# KiCad board INS-1 Matrix Display Motherboard.kicad_pcb (continued)
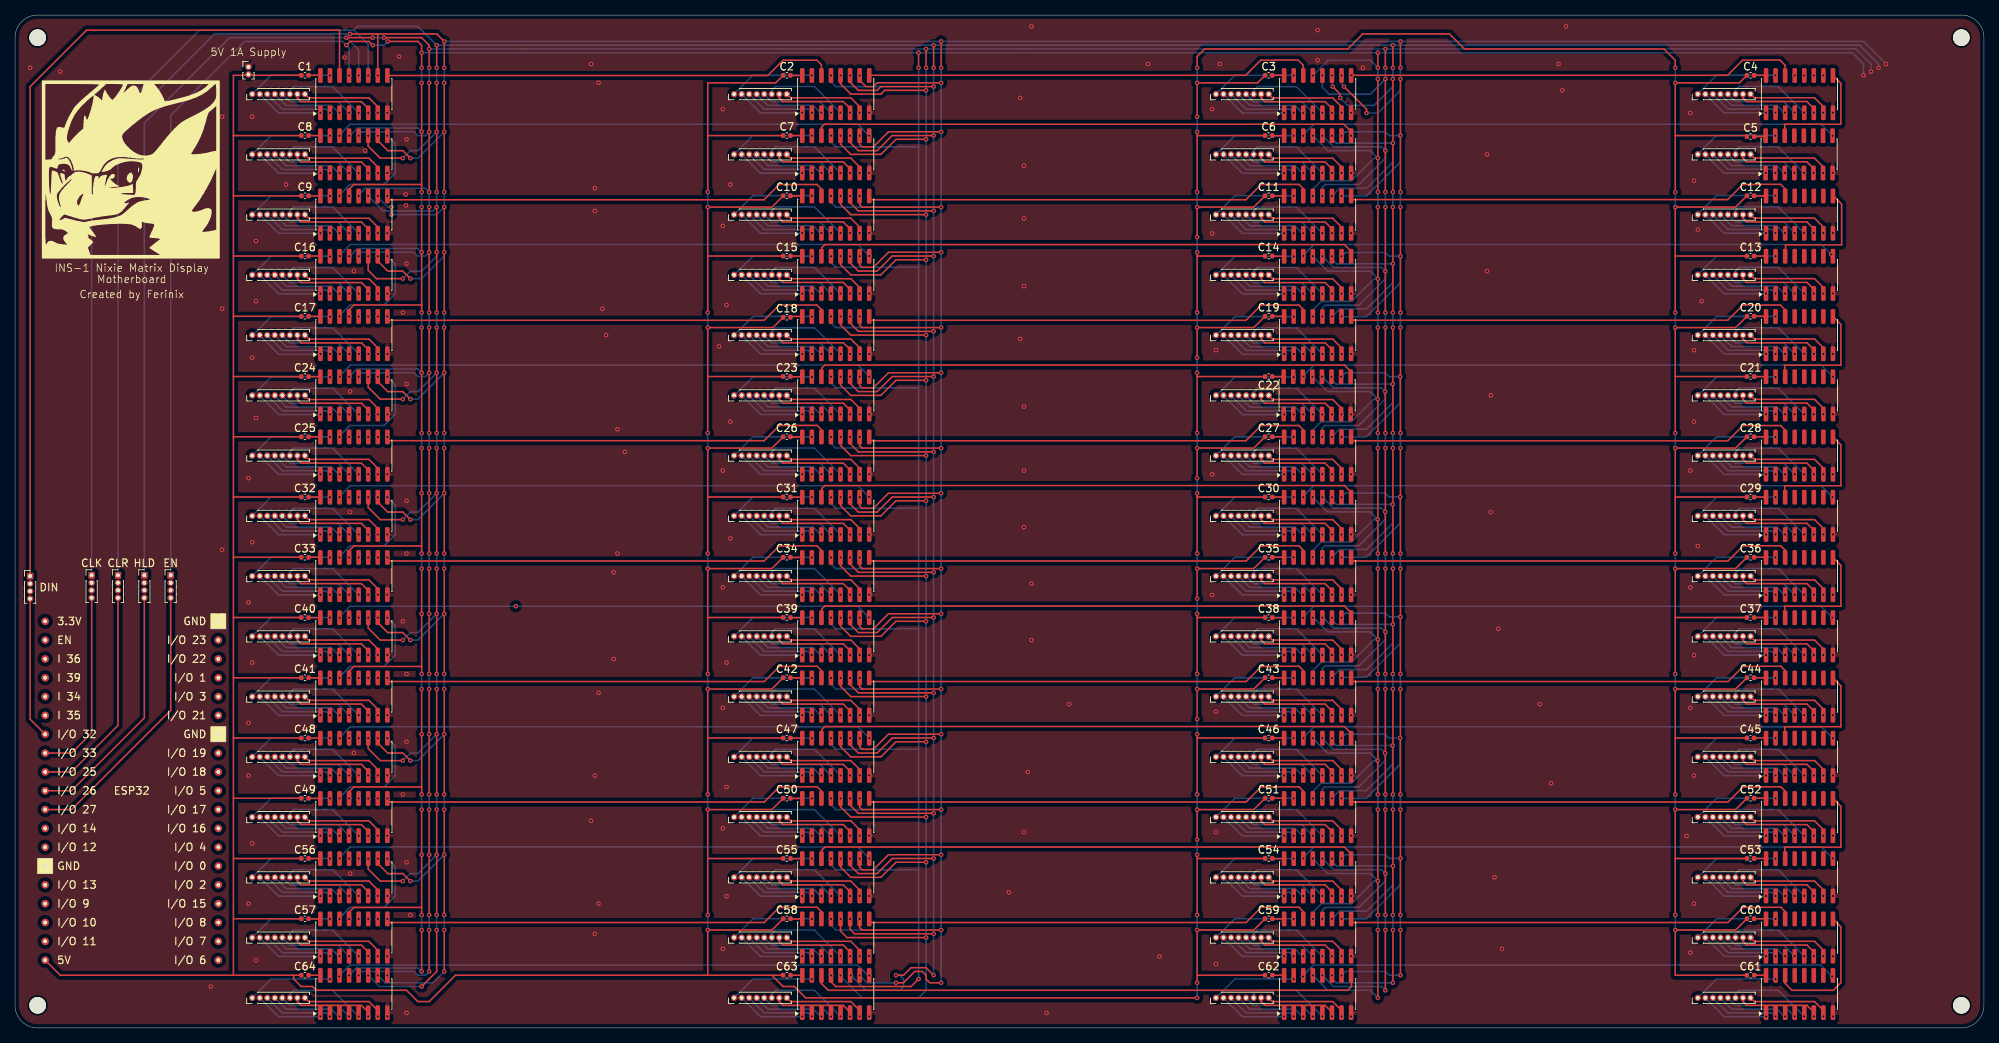
[diagram p0: board, top side]
## Nets (continued)

## Via types
v1: diameter 0.6, hole 0.3, Top to Bottom, 1312 vias

## Routing (per net, layer and track width the routed paths; a pad name or vN(x,y) marks a point on that pad's centre or on a via; arc(x,y) is an arc through that point)
5V: length 1.6
  Top w0.2: C59.2 167,14.47 U59.16
GND:
  vias: v1(2,127.5) v1(6,127) v1(26,5.5) v1(27.5,121) v1(27.5,95.5) v1(27.5,63.5) v1(31,73) v1(31,56.5) v1(31,40.5) v1(31,33.5) v1(31,16.5) v1(31.5,121) v1(31.5,89) v1(31.5,64.5) v1(31.5,48.5) v1(31.5,24.5) v1(32,104.5) v1(32,96.5) v1(32,81) v1(32,9) v1(36,112) v1(43.75,128.87) v1(44.5,84.5) v1(44.5,68.5) v1(44.5,20.5) v1(45,100.5) v1(45,36.5) v1(46.5,116.5) v1(49.44,121.53) v1(49.44,113.52) v1(49.45,105.54) v1(49.44,73.53) v1(49.44,65.53) v1(49.44,57.53) v1(49.44,49.53) v1(49.44,41.53) v1(49.44,33.53) v1(49.44,25.53) v1(49.44,17.53) v1(49.44,9.53) v1(49.44,1.53) v1(49.45,97.5) v1(49.47,89.49) v1(49.46,81.47) v1(51,129) v1(51.5,95) v1(51.5,54) v1(51.5,31) v1(51.88,110.68) v1(51.92,109.24) v1(52,118) v1(52,101.5) v1(52,85.5) v1(52,70) v1(52,63) v1(52,47) v1(52,38) v1(52,22) v1(52,2) v1(52.5,15) v1(76.5,128) v1(76.5,27.5) v1(77,111.5) v1(77,108.5) v1(77,33.5) v1(77,12.5) v1(77.5,125.5) v1(77.5,44.5) v1(77.5,16.5) v1(78,95.5) v1(78.5,92) v1(79.5,60.5) v1(79.5,49) v1(80,79.5) v1(80,63) v1(81,76.5) v1(93.5,90.5) v1(94,122) v1(94,106.5) v1(94,74) v1(94,58.5) v1(94,42.5) v1(94,26.5) v1(94,10.5) v1(94.5,96) v1(94.5,48.5) v1(94.5,32) v1(94.5,17.5) v1(95,112) v1(95,80.5) v1(95,65) v1(113.44,121.54) v1(113.44,113.53) v1(113.44,105.55) v1(113.44,97.52) v1(113.44,73.53) v1(113.44,65.53) v1(113.44,57.53) v1(113.44,49.53) v1(113.44,41.53) v1(113.44,33.53) v1(113.44,25.53) v1(113.44,17.53) v1(113.44,1.53) v1(113.46,89.5) v1(113.45,81.48) v1(132,18) v1(133.5,123.5) v1(133.5,91.5) v1(134,114.5) v1(134,107.5) v1(134,98.5) v1(134,82.5) v1(134,74) v1(134,66.5) v1(134,26) v1(134.5,34) v1(135,133) v1(135,59) v1(135,51.5) v1(137,2) v1(140,43) v1(150.5,128) v1(152,9.5) v1(159,122) v1(159,105.5) v1(159,73.5) v1(159,57.5) v1(159.5,90) v1(159.5,42) v1(159.5,26) v1(159.5,8.5) v1(160,128) v1(173,132.5) v1(173,128.5) v1(177.44,121.53) v1(177.44,113.53) v1(177.44,73.53) v1(177.44,65.53) v1(177.44,57.53) v1(177.44,49.53) v1(177.44,41.53) v1(177.44,33.53) v1(177.44,25.53) v1(177.44,17.53) v1(177.44,9.53) v1(177.44,1.53) v1(177.45,105.54) v1(177.45,97.5) v1(177.47,89.49) v1(177.46,81.47) v1(179,127.5) v1(195.5,116) v1(195.5,100.5) v1(196,84) v1(196,68.5) v1(196.5,20) v1(197,53) v1(197.5,10.5) v1(202.5,43) v1(204,32.5) v1(205,128) v1(205.5,124.5) v1(206,133) v1(222,25.5) v1(222.5,121.5) v1(222.5,74) v1(222.5,58.5) v1(222.5,42.5) v1(222.5,10) v1(223,112.5) v1(223,90) v1(223,80.5) v1(223,49.5) v1(223,33.5) v1(223,16.5) v1(223.5,106) v1(223.5,64) v1(224,96.5) v1(241.43,121.55) v1(241.43,113.54) v1(241.43,105.56) v1(241.43,97.52) v1(241.45,89.51) v1(241.44,81.49) v1(241.44,73.53) v1(241.44,65.53) v1(241.44,57.53) v1(241.44,49.53) v1(241.44,41.53) v1(241.44,33.53) v1(241.44,25.53) v1(241.44,17.53) v1(241.44,9.53) v1(241.44,1.53)
(no net): length 178.7
  Top w0.2: CLK.4 10.17,39.17 7.5,36.5 REF**.8 ; 103.5,5.5 105,4 v1(157,4) ; EN.4 20.67,42.17 7.5,29 REF**.11 ; REF**.10 7.5,31.5 17.17,41.17 HLD.4 ; REF**.9 7.5,34 13.67,40.17 CLR.4
  vias: v1(44.5,132)
Net-(C1-Pad1): length 358.2
  Top w0.2: 29,118.5 29,126.5 38,126.5 ; 29,118.5 C8.1 ; 29,118.5 29.02,118.47 ; 29,118.5 29,62.5 ; 29.02,30.47 29,30.5 ; 92,118.5 92,125.5 101.02,125.5 C2.1 ; 92,118.5 C7.1 ; 92,118.5 v1(92,111) ; 29.02,38.47 29,38.5 38,38.5 ; 4,9 6,7 29,7 29,62.5 ; 220.5,118.5 229.88,118.5 C5.1 ; 220.5,118.5 v1(220.5,111) ; 220.5,118.5 v1(220.5,125.5) 229.02,125.5 C4.1 ; v1(157,111) 157,118.5 ; 157,118.5 v1(157,119) ; 157,118.5 C6.1 ; 29.02,46.47 29,46.5 ; 29,62.5 38,62.5 ; 29.02,86.47 29,86.5 ; 29.02,70.47 29,70.5 ; v1(157,127.5) 157,129 158,130 177,130 179,132 190.5,132 192.5,130 219,130 220.5,128.5 v1(220.5,127.5) ; C3.1 165.02,125.5 v1(157,125.5) v1(157,121)
  Bottom w0.2: v1(92,111) 92,109 ; v1(220.5,125.5) v1(220.5,127.5) ; v1(157,125.5) v1(157,127.5) ; v1(157,119) v1(157,121)
Net-(C10-Pad1): length 123
  Top w0.2: C10.1 100.52,109 v1(92,109) 92,102.5 ; C16.1 29,102.5 ; C15.1 92,102.5 ; 92,102.5 v1(92,95) ; C11.1 164.52,109 v1(157,109) v1(157,105) ; 220.5,102.5 v1(220.5,109) 228.52,109 C12.1 ; 220.5,102.5 C13.1 ; 220.5,102.5 v1(220.5,95) ; v1(157,95) 157,102.5 ; 157,102.5 C14.1 ; 157,102.5 v1(157,103) ; C9.1 29,110.5
  Bottom w0.2: v1(220.5,109) 220.5,111 ; v1(157,109) 157,111 ; v1(157,103) v1(157,105)
Net-(C17-Pad1): length 105.9
  Top w0.2: v1(92,79) 92,86.5 ; 92,86.5 C23.1 ; 92,86.5 v1(92,93) 100.65,93 C18.1 ; 220.5,86.5 v1(220.5,79) ; 220.5,86.5 v1(220.5,93) 228.52,93 C20.1 ; 220.5,86.5 C21.1 ; v1(157,89) v1(157,93) 164.52,93 C19.1 ; C24.1 29,86.5 ; C17.1 29,94.5
  Bottom w0.2: v1(220.5,93) 220.5,95 ; v1(157,93) 157,95 ; v1(92,93) 92,95
Net-(C25-Pad1): length 128.5
  Top w0.2: 220.5,70.5 v1(220.5,63) ; 220.5,70.5 v1(220.5,77) 228.52,77 C28.1 ; 220.5,70.5 C29.1 ; C31.1 92,70.5 ; 92,70.5 v1(92,77) 100.52,77 C26.1 ; 92,70.5 v1(92,63) ; v1(157,63) 157,70.5 ; 157,70.5 v1(157,71) ; 157,70.5 C30.1 ; C25.1 29,78.5 ; C32.1 29,70.5 ; v1(157,73) v1(157,77) 164.52,77 C27.1
  Bottom w0.2: v1(220.5,77) 220.5,79 ; v1(92,77) 92,79 ; v1(157,63) 157,61.5 ; v1(220.5,63) 220.5,61 ; v1(157,77) 157,79 ; v1(157,71) v1(157,73)
Net-(C33-Pad1): length 116
  Top w0.2: v1(157,47) 157,54.5 ; 157,54.5 C38.1 ; 157,54.5 v1(157,55) ; v1(157,57) v1(157,61) 164.52,61 C35.1 ; 92,54.5 v1(92,61) 100.52,61 C34.1 ; 92,54.5 C39.1 ; 92,54.5 v1(92,47) ; C40.1 29,54.5 ; C36.1 228.52,61 v1(220.5,61) 220.5,54.5 ; 220.5,54.5 v1(220.5,47) ; 220.5,54.5 C37.1
  Bottom w0.2: v1(220.5,47) 220.5,45 ; v1(157,57) v1(157,55) ; v1(92,61) 92,63 ; v1(157,47) 157,45
Net-(C41-Pad1): length 116
  Top w0.2: v1(157,31) 157,38.5 ; 157,38.5 v1(157,39) ; 157,38.5 C46.1 ; C42.1 100.52,45 v1(92,45) v1(92,31) ; C43.1 164.52,45 v1(157,45) v1(157,41) ; 220.5,38.5 v1(220.5,31) ; 220.5,38.5 v1(220.5,45) 228.52,45 C44.1 ; 220.5,38.5 C45.1 ; C47.1 92,38.5 ; C41.1 29,46.5
  Bottom w0.2: v1(92,31) 92,29 ; v1(157,41) v1(157,39) ; v1(92,45) 92,47 ; v1(157,31) 157,29
Net-(C49-Pad1): length 123
  Top w0.2: C55.1 92,22.5 ; 92,22.5 v1(92,15) ; 92,22.5 v1(92,29) 100.52,29 C50.1 ; 220.5,22.5 v1(220.5,29) 228.52,29 C52.1 ; 220.5,22.5 v1(220.5,15) ; 220.5,22.5 C53.1 ; v1(157,15) v1(157,23) ; v1(157,25) v1(157,29) 164.52,29 C51.1 ; C49.1 29,30.5 ; C54.1 157,22.5 ; C56.1 29,22.5
  Bottom w0.2: v1(220.5,29) 220.5,31 ; v1(220.5,15) 220.5,13 ; v1(157,25) v1(157,23)
Net-(C57-Pad1): length 163.8
  Top w0.2: C64.1 37,7 ; 37,7 37,6.5 38,5.5 39.5,5.5 40,5 52,5 53.5,3.5 55,3.5 58.5,7 C63.1 ; 37,7 29,7 ; 92,7 v1(92,13) 100.52,13 C58.1 ; 100.5,7 102,5.5 103.5,5.5 ; 157,7 v1(157,6) ; 157,7 C62.1 ; 157,7 v1(157,13) 164.52,13 C59.1 ; C57.1 29,14.5 ; C61.1 220.5,7 v1(220.5,13) 228.52,13 C60.1
  Bottom w0.2: 157,4 v1(157,6) ; v1(92,13) 92,15 ; v1(157,13) 157,15
Net-(U1-QH'): length 60.2
  Top w0.2: U1.9 99.97,126.47 102,128.5 106.5,128.5 107.09,127.91 U2.14
Net-(U1-RCLK): length 1110
  Top w0.2: v1(182,111) v1(182,116.5) v1(182,126) ; v1(109.64,78.47) 109.64,77.36 111,76 v1(121,76) ; v1(109.64,62.47) 109.64,61.36 111,60 v1(121,60) ; v1(182,47) v1(182,61) ; v1(121,12) 110.5,12 109.64,12.87 v1(109.64,14.47) ; v1(121,124.5) 115.5,124.5 115,124 111,124 109.64,125.37 v1(109.64,126.47) ; v1(109.64,30.47) 109.64,29.37 111,28 v1(121,28) ; v1(121,22) 117,22 115,20 111,20 109.64,21.37 v1(109.64,22.47) ; v1(182,29) v1(182,15) ; v1(121,38) 117,38 115,36 111,36 109.64,37.36 v1(109.64,38.47) ; v1(55,77) v1(55,71) v1(55,63) ; v1(55,93) v1(55,87) v1(55,79) ; v1(182,109) v1(182,95) ; v1(109.64,94.47) 109.64,93.36 111,92 v1(121,92) ; v1(182,13) v1(182,5) ; v1(109.64,70.47) 109.64,69.36 111,68 115,68 117,70 v1(121,70) ; v1(55,45) v1(55,39) v1(55,31) ; v1(55,61) v1(55,55) v1(55,47) ; v1(49,131.5) 54,131.5 55,130.5 v1(55,130) v1(55,127.5) ; v1(44,131.5) v1(47.5,131.5) ; v1(121,54) 117,54 115,52 111,52 109.64,53.36 v1(109.64,54.47) ; v1(55,29) v1(55,23) v1(55,15) ; v1(121,118) 117,118 115,116 111,116 109.64,117.37 v1(109.64,118.47) ; v1(55,109) v1(55,103) v1(55,95) ; v1(109.64,110.47) 109.64,109.37 111,108 v1(121,108) ; v1(121,130) v1(121,127.5) ; v1(55,111) v1(55,119) v1(55,125.5) ; v1(121,86) 117,86 115,84 111,84 109.64,85.36 v1(109.64,86.47) ; v1(182,45) v1(182,31) ; v1(182,77) v1(182,63) ; v1(182,93) v1(182,79) ; v1(182,130) v1(182,127.5) ; v1(121,44) 111,44 109.64,45.36 v1(109.64,46.47) ; v1(121,102) 117,102 115,100 111,100 109.64,101.37 v1(109.64,102.47) ; v1(55,13) v1(55,7.5)
  Bottom w0.2: 173.61,62.5 173.61,63.66 173.97,64.03 178.47,64.03 181.97,67.53 v1(181.97,68.53) 181.47,69.03 175.08,69.03 173.61,70.5 ; v1(173.64,14.48) 173.64,15.64 174.01,16.01 178.51,16.01 182.01,19.51 v1(182.01,20.51) 181.51,21.01 175.12,21.01 173.64,22.48 ; v1(182,15) v1(182,13) ; v1(182,127.5) v1(182,126) 180,124 174.5,124 173.63,124.87 v1(173.63,126.47) ; v1(55,130) v1(121,130) v1(182,130) 244.5,130 246.5,128 v1(246.5,127) ; 173.63,46.56 173.63,47.72 174,48.09 178.5,48.09 182,51.59 v1(182,52.59) 181.5,53.09 175.11,53.09 173.63,54.56 ; 173.61,78.47 173.61,79.63 173.97,80 178.47,80 181.97,83.5 v1(181.97,84.5) 181.47,85 175.08,85 173.61,86.47 ; v1(182,31) v1(182,29) ; v1(55,103) 54.5,102.5 53.5,102.5 53,103 46,103 45.63,102.63 v1(45.63,102.47) ; v1(55,15) v1(55,13) ; v1(55,87) 54.5,86.5 53.5,86.5 53,87 46,87 45.63,86.64 v1(45.63,86.47) ; 17.17,60.11 17.17,120.17 28.5,131.5 v1(44,131.5) 45.63,129.87 v1(45.63,126.47) ; v1(109.64,6.97) 109.64,6.87 112.5,4 120,4 121,5 v1(121,12) v1(121,22) v1(121,28) v1(121,38) v1(121,44) v1(121,54) v1(121,60) v1(121,70) v1(121,76) v1(121,86) v1(121,92) v1(121,102) v1(121,108) v1(121,118) v1(121,124.5) v1(121,127.5) ; v1(182,79) v1(182,77) ; v1(182,5) 181.5,5.5 175.11,5.5 v1(173.63,6.97) ; v1(55,31) v1(55,29) ; v1(55,93) v1(55,95) ; v1(182,111) v1(182,109) ; v1(45.63,118.47) 45.63,118.63 46,119 53,119 53.5,118.5 54.5,118.5 v1(55,119) ; v1(173.63,118.47) 175.11,117 181.5,117 v1(182,116.5) 182,115.5 178.5,112 174,112 173.63,111.63 v1(173.63,110.47) ; 173.64,102.45 175.11,100.98 181.5,100.98 v1(182,100.48) 182,99.48 178.5,95.98 174,95.98 173.64,95.61 173.64,94.45 ; v1(182,95) v1(182,93) ; v1(55,7.5) 54.5,7 53.5,7 53,7.5 46,7.5 45.63,7.13 v1(45.63,6.97) ; 173.6,30.48 173.6,31.64 173.96,32 178.46,32 181.96,35.5 v1(181.96,36.5) 181.46,37 175.07,37 173.6,38.48 ; v1(55,47) v1(55,45) ; v1(47.5,131.5) v1(49,131.5) ; v1(55,109) v1(55,111) 54.5,111.5 46.5,111.5 45.63,110.63 v1(45.63,110.47) ; v1(55,127.5) v1(55,125.5) ; v1(55,79) v1(55,77) ; v1(55,63) v1(55,61) ; v1(182,63) v1(182,61) ; v1(182,47) v1(182,45)
  vias: v1(45.63,94.47) v1(45.63,78.47) v1(45.63,70.47) v1(45.63,62.47) v1(45.63,54.47) v1(45.63,46.47) v1(45.63,38.47) v1(45.63,30.47) v1(45.63,22.47) v1(45.63,14.47) v1(173.63,102.47) v1(173.63,94.47) v1(173.58,86.47) v1(173.63,78.47) v1(173.63,70.47) v1(173.63,62.47) v1(173.63,54.47) v1(173.63,46.47) v1(173.63,38.47) v1(173.63,30.47) v1(173.63,22.47) v1(237.63,126.47)
Net-(U1-SRCLK): length 1170.6
  Top w0.2: v1(110.91,38.47) 110.91,37.59 112,36.5 114.5,36.5 116.5,38.5 v1(122,38.5) ; v1(51.5,115.5) 48.5,115.5 46.91,117.09 v1(46.91,118.47) ; v1(110.91,102.47) 110.91,101.59 112,100.5 114.5,100.5 116.5,102.5 v1(122,102.5) ; v1(122,125) 115,125 114.5,124.5 112,124.5 110.91,125.59 v1(110.91,126.47) ; v1(56,61) v1(56,55) v1(56,47) ; v1(56,77) v1(56,71) v1(56,63) ; v1(183,45) v1(183,31) ; v1(110.91,78.47) 110.91,77.59 112,76.5 v1(122,76.5) ; v1(56,109) v1(56,103) v1(56,95) ; v1(56,15) v1(56,23) v1(56,29) ; v1(122,118.5) 116.5,118.5 114.5,116.5 112,116.5 110.91,117.59 v1(110.91,118.47) ; v1(175,125) 176,124 v1(176,123.5) ; v1(110.91,54.47) 110.91,53.59 112,52.5 114.5,52.5 116.5,54.5 v1(122,54.5) ; v1(46.91,54.47) 46.91,53.09 48.5,51.5 v1(51.5,51.5) ; v1(122,130.5) v1(122,127.5) ; v1(56,31) v1(56,39) v1(56,45) ; v1(51.5,35.5) 48.5,35.5 46.91,37.09 v1(46.91,38.47) ; v1(56,125.5) v1(56,119) v1(56,111) ; v1(46.91,22.47) 46.91,21.09 48.5,19.5 v1(51.5,19.5) ; v1(110.91,46.47) 110.91,45.59 112,44.5 v1(122,44.5) ; v1(56,93) v1(56,87) v1(56,79) ; v1(122,70.5) 116.5,70.5 114.5,68.5 112,68.5 110.91,69.59 v1(110.91,70.47) ; v1(122,108.5) 112,108.5 110.91,109.59 v1(110.91,110.47) ; v1(110.91,14.47) 110.91,13.09 111.5,12.5 v1(122,12.5) ; v1(110.91,94.47) 110.91,93.59 112,92.5 v1(122,92.5) ; v1(183,130.5) v1(183,127.5) ; v1(183,109) v1(183,95) ; v1(117,7) 118,7 119,8 121,8 v1(122,7) ; v1(56,130.5) v1(56,127.5) ; v1(183,13) v1(183,6) ; v1(183,126) v1(183,117.5) v1(183,111) ; v1(46.91,102.47) 46.91,100.59 48,99.5 v1(51.5,99.5) ; v1(122,28.5) 112,28.5 110.91,29.59 v1(110.91,30.47) ; v1(122,22.5) 116.5,22.5 114.5,20.5 112,20.5 110.91,21.59 v1(110.91,22.47) ; v1(56,13) 56,7.5 v1(54,5.5) ; v1(183,77) v1(183,63) ; v1(183,29) v1(183,15) ; v1(122,60.5) 112,60.5 110.91,61.59 v1(110.91,62.47) ; v1(122,86.5) 116.5,86.5 114.5,84.5 112,84.5 110.91,85.59 v1(110.91,86.47) ; v1(51.5,67.5) 48.5,67.5 46.91,69.09 v1(46.91,70.47) ; v1(183,61) v1(183,47) ; v1(46.91,86.47) 46.91,85.09 48.5,83.5 v1(51.5,83.5) ; v1(183,93) v1(183,79)
  Bottom w0.2: v1(174.91,14.48) 175.94,15.51 179.51,15.51 183.01,19.01 v1(183.01,21.51) 175.51,21.51 174.91,22.11 v1(174.91,22.47) ; v1(122,127.5) v1(122,125) v1(122,118.5) v1(122,108.5) v1(122,102.5) v1(122,92.5) v1(122,86.5) v1(122,76.5) v1(122,70.5) v1(122,60.5) v1(122,54.5) v1(122,44.5) v1(122,38.5) v1(122,28.5) v1(122,22.5) v1(122,12.5) v1(122,7) ; v1(183,127.5) v1(183,126) 183,125 180.5,122.5 177,122.5 v1(176,123.5) ; v1(46.91,110.47) 48.88,108.5 55.5,108.5 v1(56,109) v1(56,111) ; v1(56,63) v1(56,61) ; v1(56,93) v1(56,95) ; 175,54 174.91,54.09 v1(174.91,54.47) ; 10.17,60.11 10.17,118.17 24.5,132.5 45,132.5 ; 174.91,102.09 175,102 ; v1(174.91,110.47) 175.93,111.5 179.5,111.5 183,115 v1(183,117.5) 175.5,117.5 174.91,118.09 v1(174.91,118.47) ; 174.88,70.12 175.47,69.53 v1(182.97,69.53) 182.97,67.03 179.47,63.53 175.9,63.53 174.88,62.5 ; v1(183,15) v1(183,13) ; 174.9,46.56 175.93,47.59 179.5,47.59 183,51.09 v1(183,53.59) 175.5,53.59 174.9,54.18 ; v1(51.5,99.5) 52.5,100.5 54,100.5 56,102.5 v1(56,103) ; v1(51.5,51.5) 52.5,52.5 53.5,52.5 v1(56,55) ; v1(174.91,126.47) 174.91,125.09 v1(175,125) ; v1(174.91,70.47) 174.91,70.09 175,70 ; v1(111,7) 113,5 117.5,5 118,5.5 118,6.5 117.5,7 v1(117,7) ; v1(247.5,127.5) 247.5,128 245,130.5 v1(183,130.5) v1(122,130.5) v1(56,130.5) 53.5,133 45.5,133 45,132.5 ; v1(56,71) 53.5,68.5 52.5,68.5 v1(51.5,67.5) ; v1(183,31) v1(183,29) ; v1(183,111) v1(183,109) ; v1(56,47) v1(56,45) ; 45,132.5 46.91,130.59 v1(46.91,126.47) ; 174.87,30.48 175.89,31.5 179.46,31.5 182.96,35 v1(182.96,37.5) 175.46,37.5 174.98,37.98 ; 174.91,94.45 175.93,95.48 179.5,95.48 183,98.98 v1(183,101.48) 175.5,101.48 174.91,102.07 v1(174.91,102.47) ; 174.88,78.47 175.9,79.5 179.47,79.5 182.97,83 v1(182.97,85.5) 175.47,85.5 174.85,86.12 v1(174.85,86.47) ; v1(51.5,83.5) 52.5,84.5 53.5,84.5 v1(56,87) ; v1(183,63) v1(183,61) ; v1(183,93) v1(183,95) ; v1(56,127.5) v1(56,125.5) ; 174.98,37.98 174.87,38.1 ; 174.98,37.98 174.91,38.06 v1(174.91,38.47) ; v1(56,29) v1(56,31) ; v1(56,15) v1(56,13) ; 174.9,6.97 174.9,6.6 175.5,6 v1(183,6) ; v1(51.5,115.5) 52.5,116.5 53.5,116.5 v1(56,119) ; v1(183,47) v1(183,45) ; v1(56,39) 53.5,36.5 52.5,36.5 v1(51.5,35.5) ; v1(183,79) v1(183,77) ; v1(51.5,19.5) 52.5,20.5 53.5,20.5 v1(56,23) ; v1(54,5.5) 48.38,5.5 v1(46.91,6.97) ; v1(56,79) v1(56,77)
  vias: v1(46.91,94.47) v1(46.91,78.47) v1(46.91,62.47) v1(46.91,46.47) v1(46.91,30.47) v1(46.91,14.47) v1(174.91,94.47) v1(174.91,78.47) v1(174.91,62.47) v1(174.91,46.47) v1(174.91,30.47) v1(174.91,6.97) v1(238.91,126.47)
Net-(U1-VCC): length 1.6
  Top w0.2: U1.16 40.53,126.5 38.96,126.5
Net-(U1-~{OE}): length 1146.1
  Top w0.2: v1(44.37,110.47) 44.37,111.37 45,112 54,112 ; 54,64 v1(54,71) v1(54,77) ; 54,64 45,64 44.37,63.36 v1(44.37,62.47) ; 54,64 v1(54,63) ; 54,32 v1(54,31) ; 54,32 45,32 44.37,31.37 v1(44.37,30.47) ; 54,32 v1(54,39) v1(54,45) ; v1(47.5,130.5) 47,131 44.5,131 v1(44,130.5) ; v1(181,111) v1(181,115.5) v1(181,126) ; v1(181,61) v1(181,47) ; v1(54,125.5) v1(54,119) 54,112 ; v1(181,77) v1(181,63) ; v1(44.37,46.47) 44.37,47.36 45,48 54,48 ; v1(181,93) v1(181,79) ; v1(49.5,131) 53.5,131 54,130.5 v1(54,129.5) v1(54,127.5) ; v1(54,61) v1(54,55) 54,48 ; v1(120,6.5) 119,5.5 109,5.5 108.36,6.13 v1(108.36,6.97) ; v1(54,29) v1(54,23) 54,16 ; 54,16 45,16 44.37,15.37 v1(44.37,14.47) ; 54,16 v1(54,15) ; 54,112 v1(54,111) ; 54,96 v1(54,103) v1(54,109) ; 54,96 v1(54,95) ; 54,96 45,96 44.37,95.36 v1(44.37,94.47) ; v1(120,129.5) v1(120,127.5) ; v1(54,79) v1(54,87) v1(54,93) ; v1(181,109) v1(181,95) ; v1(181,29) v1(181,15) ; v1(181,129.5) v1(181,127.5) ; v1(181,31) v1(181,45) ; 54,48 v1(54,47) ; v1(181,13) v1(181,4) ; v1(54,13) v1(54,7.5)
  Bottom w0.2: 120,109 120,101 ; 120,109 120,117 ; 120,109 109,109 108.36,109.63 v1(108.36,110.47) ; 120,101 120,93 ; 120,101 109,101 108.36,101.63 v1(108.36,102.47) ; 120,21 109,21 108.36,21.63 v1(108.36,22.47) ; 120,21 120,13 ; 120,21 120,29 ; 172.33,30.48 172.33,31.37 173.46,32.5 177.46,32.5 180.46,35.5 v1(180.96,35.5) 179.96,36.5 174.3,36.5 172.33,38.48 ; v1(54,95) v1(54,93) ; v1(44.37,6.97) 45.34,7.95 53.55,7.95 v1(54,7.5) ; v1(47.5,130.5) 49,130.5 v1(49.5,131) ; 120,37 109,37 108.36,37.64 v1(108.36,38.47) ; 120,37 120,29 ; 120,37 120,45 ; v1(181,126) v1(181,127.5) 180,128.5 174.39,128.5 v1(172.37,126.47) ; 120,125 109,125 108.36,125.63 v1(108.36,126.47) ; 120,125 120,117 ; 120,125 v1(120,127.5) ; 172.37,102.45 174.34,100.48 180,100.48 v1(181,99.48) 180.5,99.48 177.5,96.48 173.5,96.48 172.37,95.34 172.37,94.45 ; v1(181,15) v1(181,13) ; v1(181,79) v1(181,77) ; 172.36,46.56 172.36,47.45 173.5,48.59 177.5,48.59 180.5,51.59 v1(181,51.59) 180,52.59 174.34,52.59 172.36,54.56 ; 120,85 120,77 ; 120,85 120,93 ; 120,85 109,85 108.36,85.64 v1(108.36,86.47) ; 120,77 120,69 ; 120,77 109,77 108.36,77.64 v1(108.36,78.47) ; v1(108.36,94.47) 108.36,93.64 109,93 120,93 ; v1(108.36,14.47) 108.36,13.63 109,13 120,13 ; v1(108.36,30.47) 108.36,29.63 109,29 120,29 ; v1(181,63) v1(181,61) ; 120,69 109,69 108.36,69.64 v1(108.36,70.47) ; 120,69 120,61 ; v1(54,127.5) v1(54,125.5) ; 120,13 v1(120,6.5) ; v1(108.36,46.47) 108.36,45.64 109,45 120,45 ; v1(181,31) v1(181,29) ; v1(172.37,14.48) 172.37,15.37 173.51,16.51 177.51,16.51 180.51,19.51 v1(181.01,19.51) 180.01,20.51 174.35,20.51 v1(172.37,22.48) ; v1(172.37,110.47) 172.37,111.37 173.5,112.5 177.5,112.5 180.5,115.5 v1(181,115.5) 180,116.5 174.34,116.5 v1(172.37,118.47) ; 20.67,60.11 20.67,121.17 30.5,131 43.5,131 v1(44,130.5) 44.37,130.13 v1(44.37,126.47) ; 120,117 109,117 108.36,117.63 v1(108.36,118.47) ; v1(181,111) v1(181,109) ; v1(54,119) 53.5,119.5 45.5,119.5 44.5,118.5 ; 120,53 109,53 108.36,53.64 v1(108.36,54.47) ; 120,53 120,61 ; 120,53 120,45 ; v1(245.5,126.5) 245.5,128 244,129.5 v1(181,129.5) v1(120,129.5) v1(54,129.5) ; v1(108.36,62.47) 108.36,61.64 109,61 120,61 ; v1(172.34,70.5) 174.31,68.53 179.97,68.53 v1(180.97,67.53) 180.47,67.53 177.47,64.53 173.47,64.53 172.34,63.39 v1(172.34,62.5) ; v1(54,111) v1(54,109) ; v1(54,63) v1(54,61) ; v1(54,103) 53.5,103.5 45.5,103.5 44.48,102.47 v1(44.37,102.47) ; v1(54,79) v1(54,77) ; v1(54,87) 53.5,87.5 45.39,87.5 v1(44.37,86.47) ; 172.34,78.47 172.34,79.36 173.47,80.5 177.47,80.5 180.47,83.5 v1(180.97,83.5) 179.97,84.5 174.31,84.5 172.34,86.47 ; v1(181,4) 180,5 174.34,5 v1(172.37,6.97) ; v1(181,47) v1(181,45) ; v1(54,47) v1(54,45) ; v1(181,95) v1(181,93) ; v1(54,13) v1(54,15) ; v1(54,31) v1(54,29)
  vias: v1(44.37,118.47) v1(44.37,78.47) v1(44.37,70.47) v1(44.37,54.47) v1(44.37,38.47) v1(44.37,22.47) v1(172.31,86.47) v1(172.37,102.47) v1(172.37,94.47) v1(172.37,78.47) v1(172.37,54.47) v1(172.37,46.47) v1(172.37,38.47) v1(172.37,30.47) v1(236.37,126.47)
Net-(U1-~{SRCLR}): length 1155.4
  Top w0.2: v1(57,79) v1(57,87) v1(57,93) ; v1(52.5,83.5) 51.5,84.5 49.5,84.5 48.17,85.83 v1(48.17,86.47) ; v1(57,61) v1(57,55) v1(57,47) ; v1(184,29) v1(184,15) ; v1(112.18,78.47) 112.18,77.33 112.5,77 v1(123,77) ; v1(48.17,54.47) 48.17,53.83 49.5,52.5 51.5,52.5 v1(52.5,51.5) ; v1(184,131) v1(184,127.5) ; v1(123,29) 112.5,29 112.18,29.32 v1(112.18,30.47) ; v1(57,45) v1(57,39) v1(57,31) ; v1(184,45) v1(184,31) ; v1(123,131) v1(123,127.5) ; v1(123,125.5) 114.5,125.5 114,125 113,125 112.18,125.83 v1(112.18,126.47) ; v1(57,109) v1(57,103) v1(57,95) ; v1(112.18,102.47) 112.18,101.33 112.5,101 114,101 116,103 v1(123,103) ; v1(57,29) v1(57,23) v1(57,15) ; v1(57,127.5) v1(57,131) 56,132 48,132 ; v1(123,13) 112.5,13 112.18,13.32 v1(112.18,14.47) ; v1(112.18,110.47) 112.18,109.33 112.5,109 v1(123,109) ; v1(179.5,121.5) 179.5,122 v1(176.5,125) ; v1(123,39) 116,39 114,37 112.5,37 112.18,37.33 v1(112.18,38.47) ; v1(48.17,70.47) 48.17,69.83 49.5,68.5 51.5,68.5 v1(52.5,67.5) ; v1(184,93) v1(184,79) ; v1(52.5,19.5) 51.5,20.5 49.5,20.5 48.17,21.82 v1(48.17,22.47) ; v1(112.18,70.47) 112.18,69.33 112.5,69 114,69 116,71 v1(123,71) ; 48,132 44.5,132 ; 48,132 48.17,131.82 v1(48.17,126.47) ; v1(184,77) v1(184,63) ; v1(123,23) 116,23 114,21 112.5,21 112.18,21.32 v1(112.18,22.47) ; v1(52.5,115.5) 51.5,116.5 49.5,116.5 48.17,117.83 v1(48.17,118.47) ; v1(57,77) v1(57,71) v1(57,63) ; v1(123,55) 116,55 114,53 112.5,53 112.18,53.33 v1(112.18,54.47) ; v1(112.18,46.47) 112.18,45.33 112.5,45 v1(123,45) ; v1(48.17,38.47) 48.17,37.83 49.5,36.5 51.5,36.5 v1(52.5,35.5) ; v1(112.18,118.47) 112.18,117.33 112.5,117 114,117 116,119 v1(123,119) ; v1(57,125.5) v1(57,119) v1(57,111) ; v1(123,93) 112.5,93 112.18,93.33 v1(112.18,94.47) ; v1(184,111) v1(184,118.5) v1(184,126) ; v1(184,13) v1(184,7) ; v1(184,61) v1(184,47) ; v1(50,109) v1(50,108) ; v1(123,6) 121.5,6 121,6.5 121,7 120.5,7.5 119.5,7.5 118,6 v1(117,6) ; v1(112.18,62.47) 112.18,61.33 112.5,61 v1(123,61) ; v1(52.5,99.5) 51.5,100.5 49.5,100.5 48.17,101.83 v1(48.17,102.47) ; v1(123,87) 116,87 114,85 112.5,85 112.18,85.33 v1(112.18,86.47) ; v1(57,13) v1(57,7.5) ; v1(184,109) v1(184,95)
  Bottom w0.2: v1(184,127.5) v1(184,126) 184,124.5 181,121.5 v1(179.5,121.5) ; v1(48.17,6.97) 49.15,6 55.5,6 v1(57,7.5) ; v1(184,79) v1(184,77) ; 176.15,70.5 176.67,71.03 181.97,71.03 182.47,70.53 v1(183.97,70.53) 183.97,67.03 179.45,62.5 176.15,62.5 ; v1(248.5,128) 245.5,131 v1(184,131) v1(123,131) v1(57,131) ; v1(176.18,110.47) 179.47,110.47 184,115 v1(184,118.5) 182.5,118.5 182,119 176.7,119 v1(176.18,118.47) ; v1(52.5,83.5) 53.5,83.5 v1(57,87) ; v1(57,47) v1(57,45) ; v1(176.18,6.97) 176.7,7.5 182,7.5 182.5,7 v1(184,7) ; v1(184,63) v1(184,61) ; v1(52.5,115.5) 53.5,115.5 v1(57,119) ; v1(50,108) 56,108 v1(57,109) v1(57,111) ; v1(176.18,14.48) 179.48,14.48 184.01,19.01 v1(184.01,22.51) 182.51,22.51 182.01,23.01 176.71,23.01 v1(176.18,22.48) ; v1(57,79) v1(57,77) ; 13.67,60.11 13.67,119.17 26.5,132 44.5,132 ; v1(52.5,35.5) 53.5,35.5 v1(57,39) ; v1(57,71) 53.5,67.5 v1(52.5,67.5) ; v1(50,109) 49.5,109 48.17,110.33 v1(48.17,110.47) ; v1(176.18,126.47) 176.18,125.33 v1(176.5,125) ; v1(57,93) v1(57,95) ; v1(57,103) 57,102.5 54,99.5 v1(52.5,99.5) ; 176.18,102.45 176.7,102.98 182,102.98 182.5,102.48 v1(184,102.48) 184,98.98 179.48,94.45 176.18,94.45 ; 176.14,30.48 179.44,30.48 183.96,35 v1(183.96,38.5) 182.46,38.5 181.96,39 176.66,39 176.14,38.48 ; v1(184,15) v1(184,13) ; v1(184,111) v1(184,109) ; v1(52.5,51.5) 53.5,51.5 v1(57,55) ; v1(117,6) 113.15,6 v1(112.18,6.97) ; v1(52.5,19.5) 53.5,19.5 v1(57,23) ; v1(184,95) v1(184,93) ; v1(123,6) v1(123,13) v1(123,23) v1(123,29) v1(123,39) v1(123,45) v1(123,55) v1(123,61) v1(123,71) v1(123,77) v1(123,87) v1(123,93) v1(123,103) v1(123,109) v1(123,119) v1(123,125.5) v1(123,127.5) ; v1(57,63) v1(57,61) ; v1(57,127.5) v1(57,125.5) ; v1(184,31) v1(184,29) ; 176.15,78.47 179.45,78.47 183.97,83 v1(183.97,86.5) 182.47,86.5 181.97,87 176.67,87 176.15,86.47 ; v1(184,47) v1(184,45) ; v1(57,15) v1(57,13) ; 176.17,46.56 179.47,46.56 184,51.09 v1(184,54.59) 182.5,54.59 182,55.09 176.7,55.09 176.17,54.56 ; v1(57,31) v1(57,29)
  vias: v1(48.17,94.47) v1(48.17,78.47) v1(48.17,62.47) v1(48.17,46.47) v1(48.17,30.47) v1(48.17,14.47) v1(176.12,86.47) v1(176.18,102.47) v1(176.18,94.47) v1(176.18,78.47) v1(176.18,70.47) v1(176.18,62.47) v1(176.18,54.47) v1(176.18,46.47) v1(176.18,38.47) v1(176.18,30.47) v1(240.18,126.47)
Net-(U2-QH'): length 60.2
  Top w0.2: 171,126.5 171.09,126.59 171.09,127.84 170.41,128.53 167.41,128.53 167.38,128.5 165.44,128.5 163.44,126.5 113.35,126.5
Net-(U2-VCC): length 1.6
  Top w0.2: C2.2 103,126.47 U2.16
Net-(U3-QH'): length 60.2
  Top w0.2: 177.35,126.5 v1(177.5,126.5) 227.44,126.5 229.44,128.5 231.38,128.5 231.41,128.53 234.41,128.53 235.09,127.84 235.09,126.59 235,126.5
Net-(U3-VCC): length 1.6
  Top w0.2: C3.2 168.53,126.5 U3.16
Net-(U4-QH'): length 16
  Top w0.2: U5.14 235.05,119.95 235,120 242.5,120 242.5,125.42 U4.9
Net-(U4-VCC): length 1.6
  Top w0.2: C4.2 232.53,126.5 U4.16
Net-(U5-QH'): length 71.6
  Bottom w0.2: v1(171.09,118.47) 171.09,118.59 172.5,120 239.87,120 v1(241.4,118.47)
Net-(U5-VCC): length 1.6
  Top w0.2: U5.16 232.4,118.36 C5.2
Net-(U6-QH'): length 72.6
  Top w0.2: v1(177.44,118.47) 177.44,119.06 176.5,120 107.5,120 107.09,119.59 U7.14
Net-(U6-VCC): length 1.6
  Top w0.2: U6.16 167,118.47 C6.2
Net-(U7-QH'): length 71.7
  Bottom w0.2: v1(43.09,118.47) 43.09,118.59 44.5,120 111.92,120 v1(113.44,118.47)
Net-(U7-VCC): length 1.6
  Top w0.2: U7.16 104.53,118.5 C7.2
Net-(U8-QH'): length 14.2
  Bottom w0.2: 43,110.5 44.5,112 49,112 50.5,113.5 50.5,117.42 v1(49.44,118.47)
  vias: v1(43.09,110.47)
Net-(U8-VCC): length 1.6
  Top w0.2: C8.2 40.53,118.5 U8.16
Net-(U9-VCC): length 1.6
  Top w0.2: C9.2 40.53,110.5 U9.16
Net-(U10-QH'): length 60.2
  Top w0.2: 113.47,109.98 163.48,109.98 165.5,112 167.52,112 167.53,112.01 170.53,112.01 171.12,111.41 171.12,109.98
Net-(U10-SER): length 60.2
  Top w0.2: 107.09,109.98 107.09,111.41 106.5,112 103.5,112 101.5,112 99.48,109.98 49.44,109.98
  vias: v1(49.44,110.47)
